# Altium PCB MCU065E1_LAUNCHCC3235MODA_PCB.PcbDoc (part 1 of 4)
Units mil, origin at the board's own origin, x right, y up, seen from the top; angles counter-clockwise.
Board outline 2300 x 4280 mil, 4 copper layers (TOP, GND, PWR, BOTTOM), stack 62 mil thick; 300 components, 199 nets, 970 pads, 475 vias.
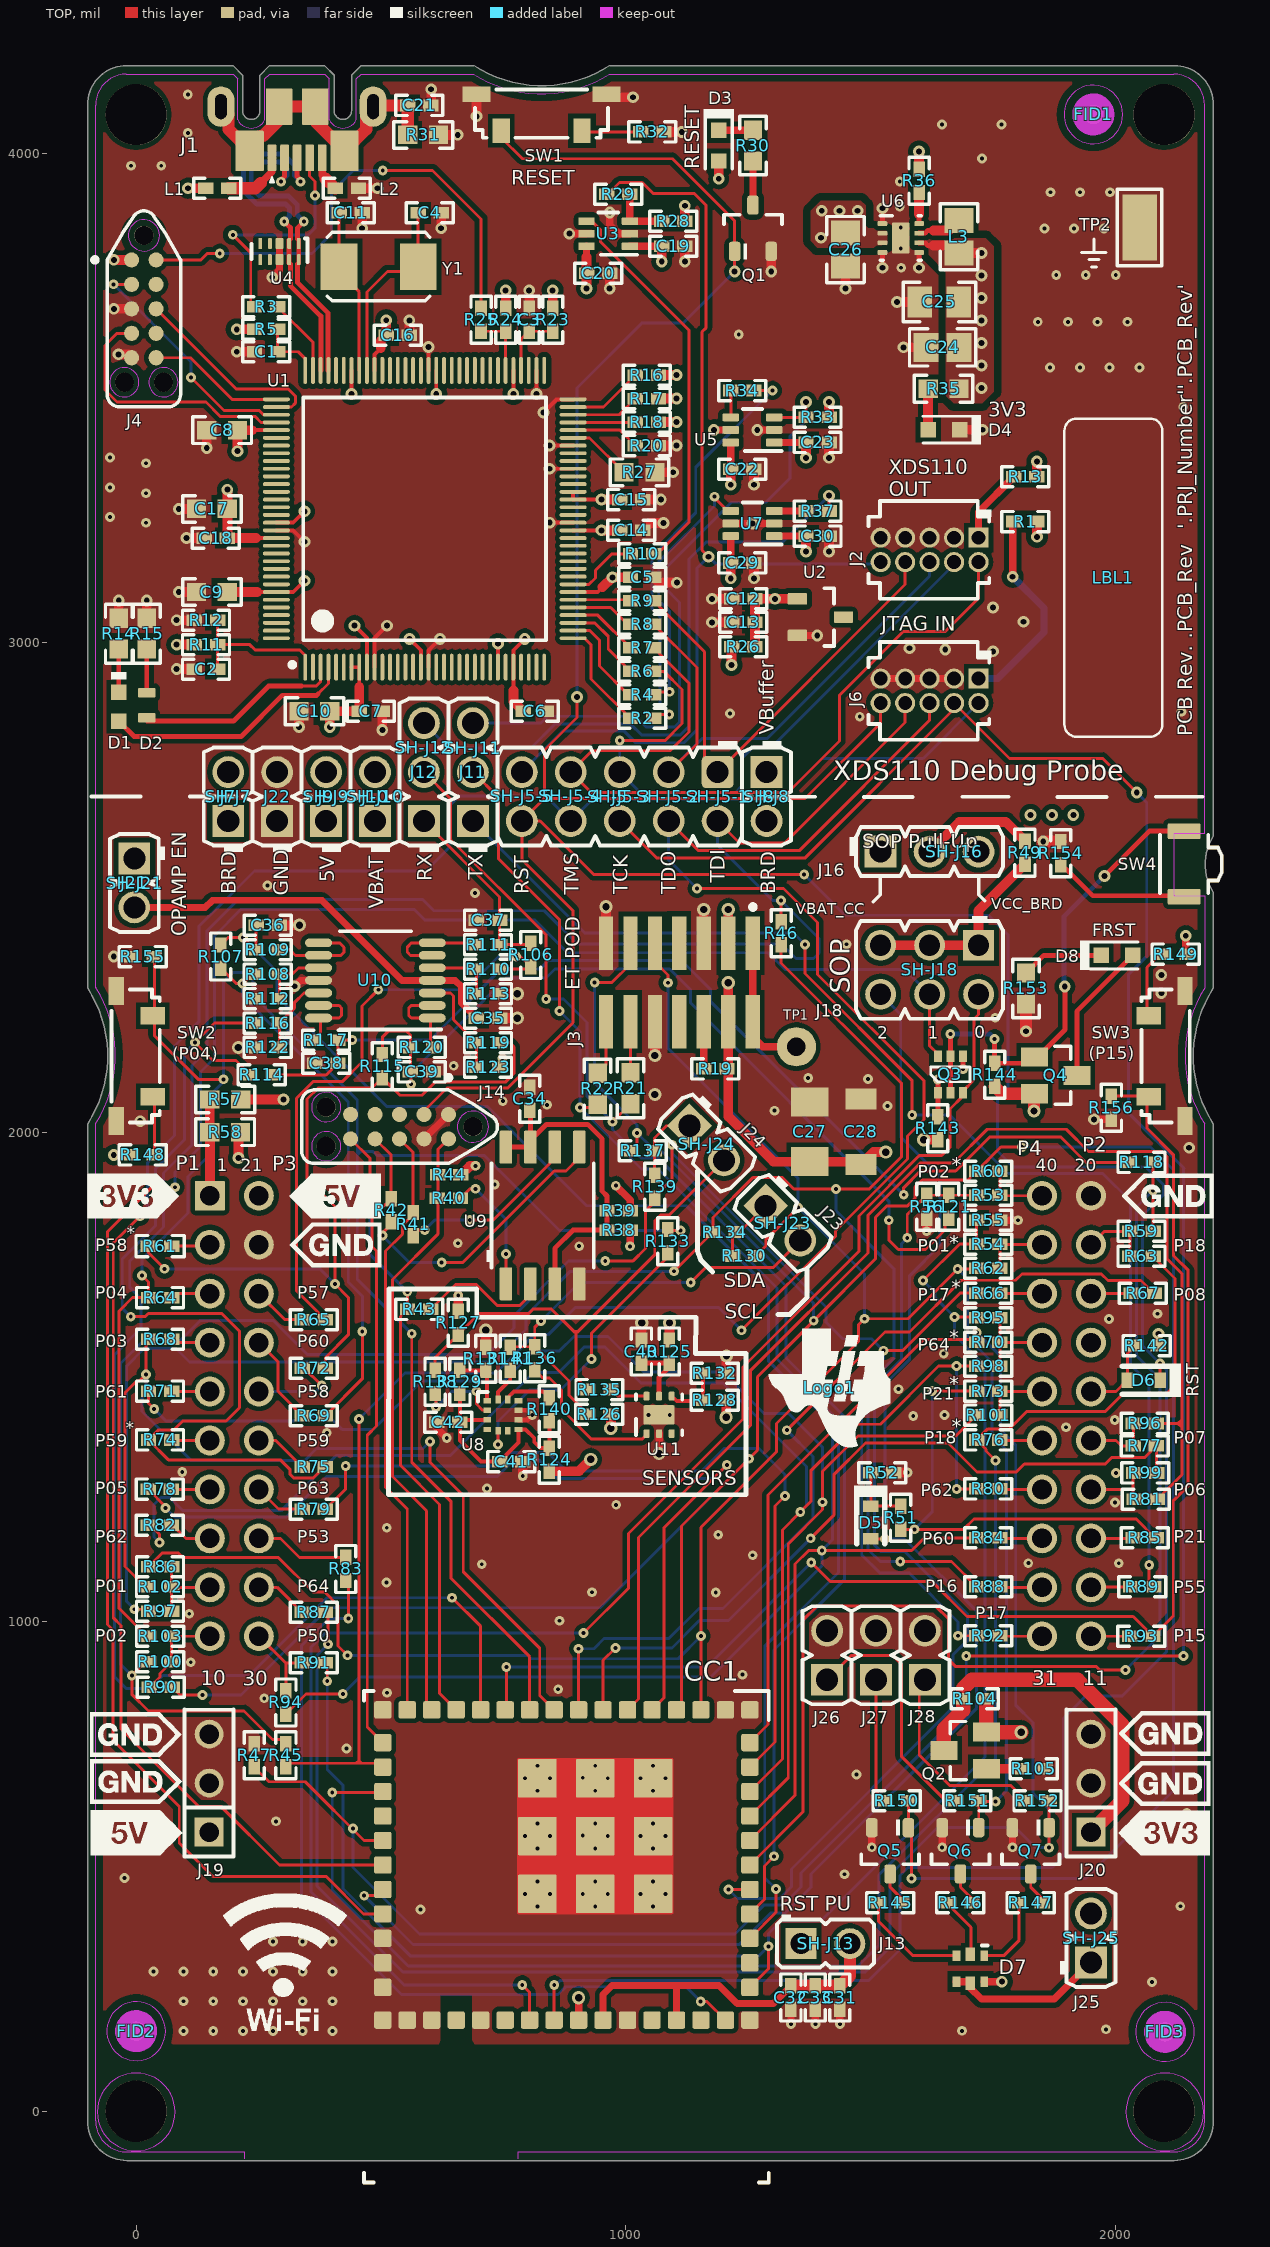
[diagram p0: TOP view]
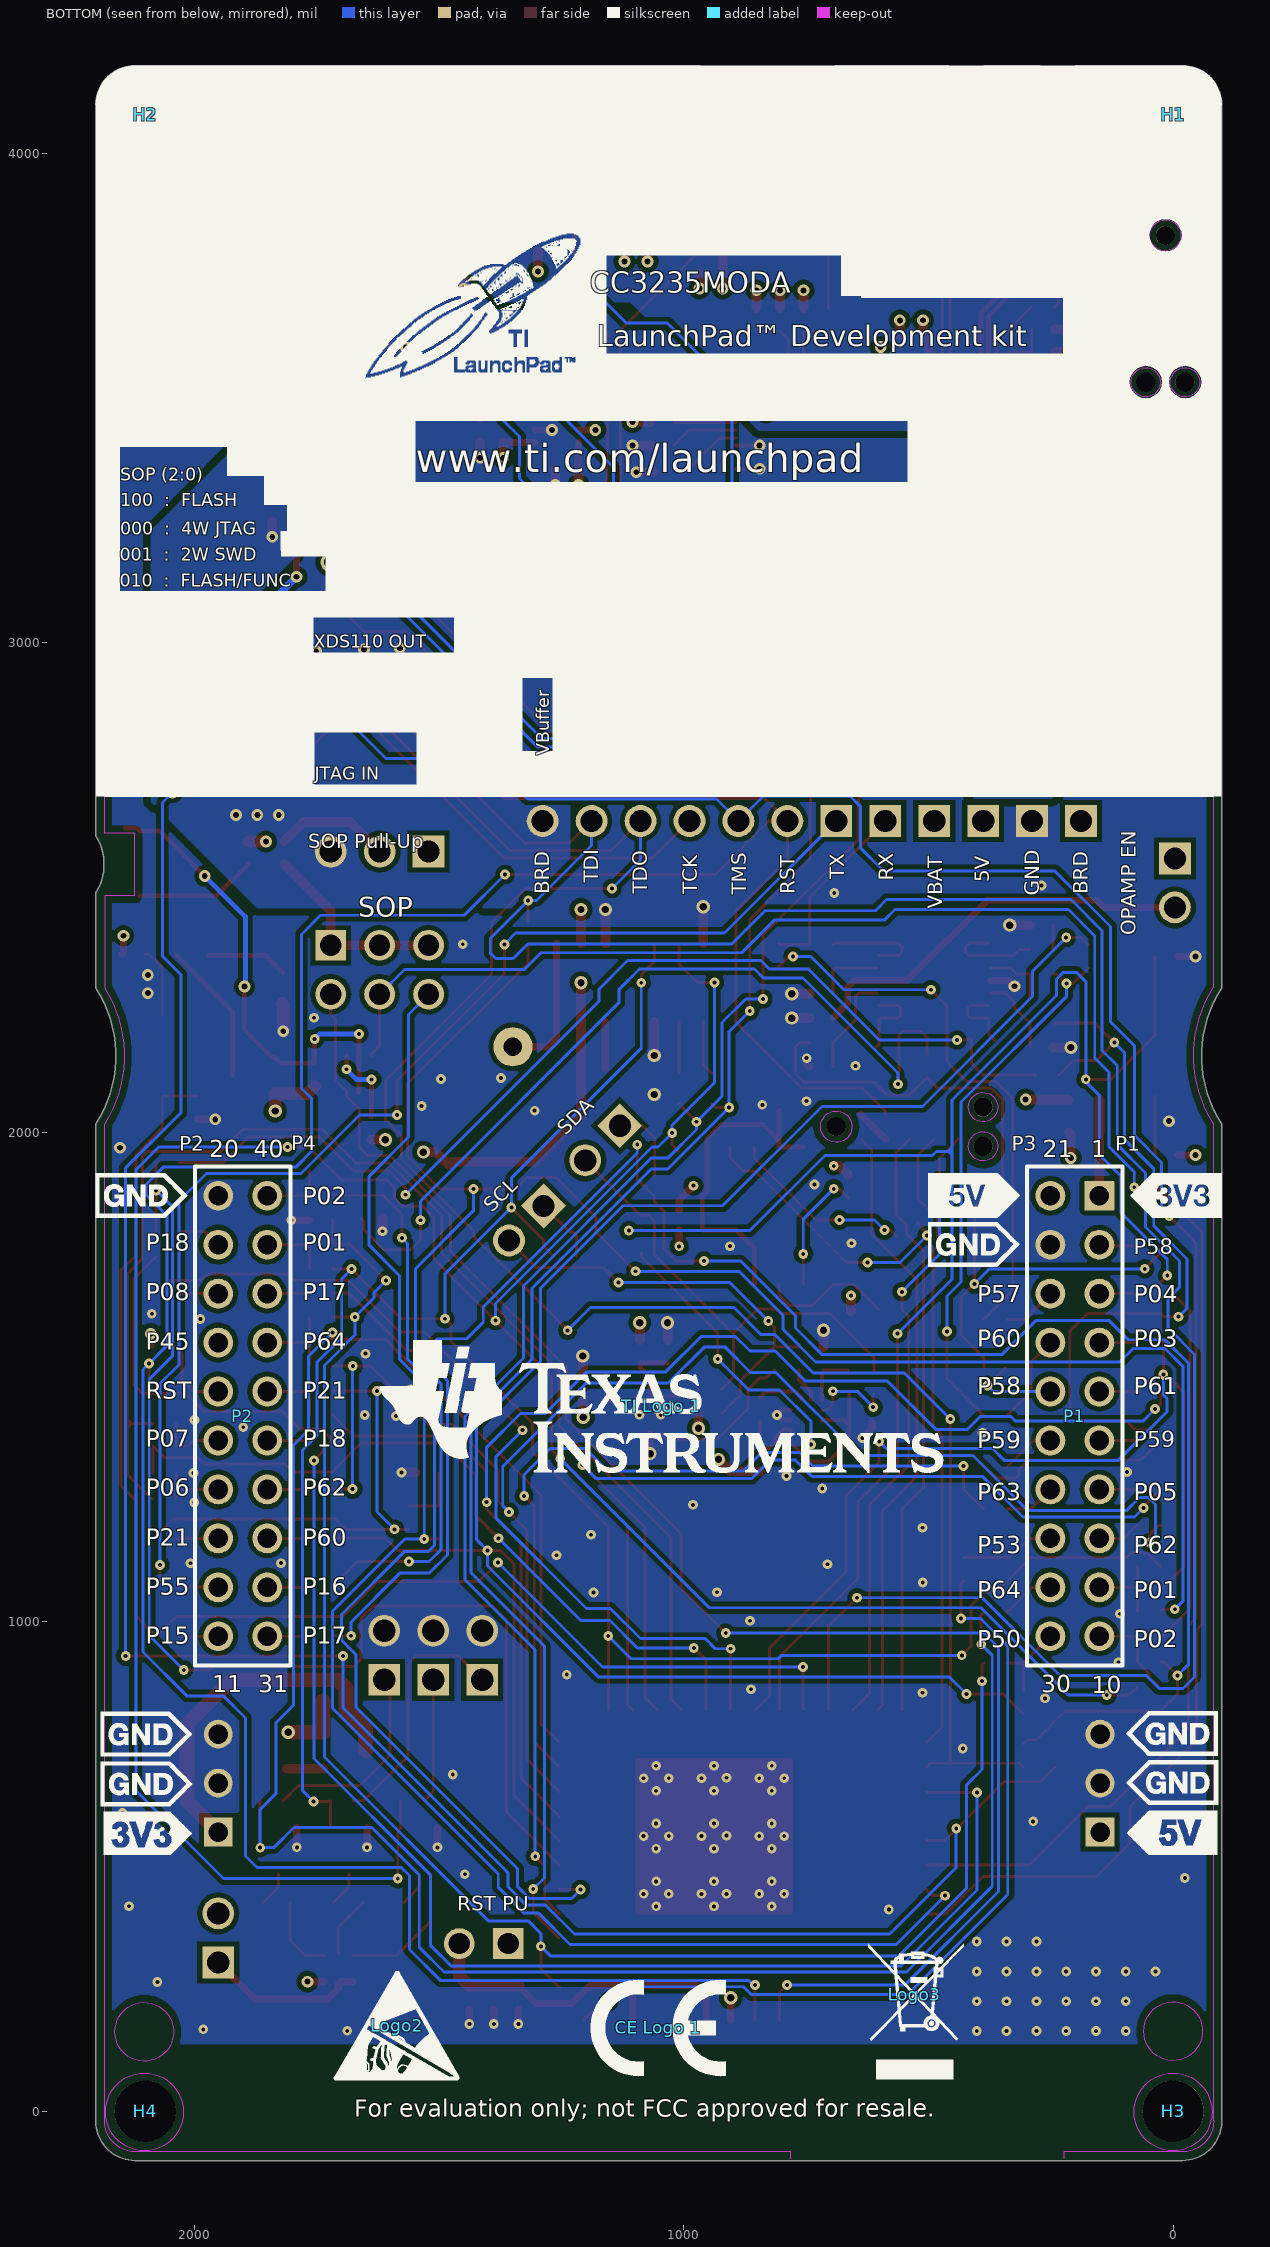
[diagram p1: BOTTOM view, seen from below]
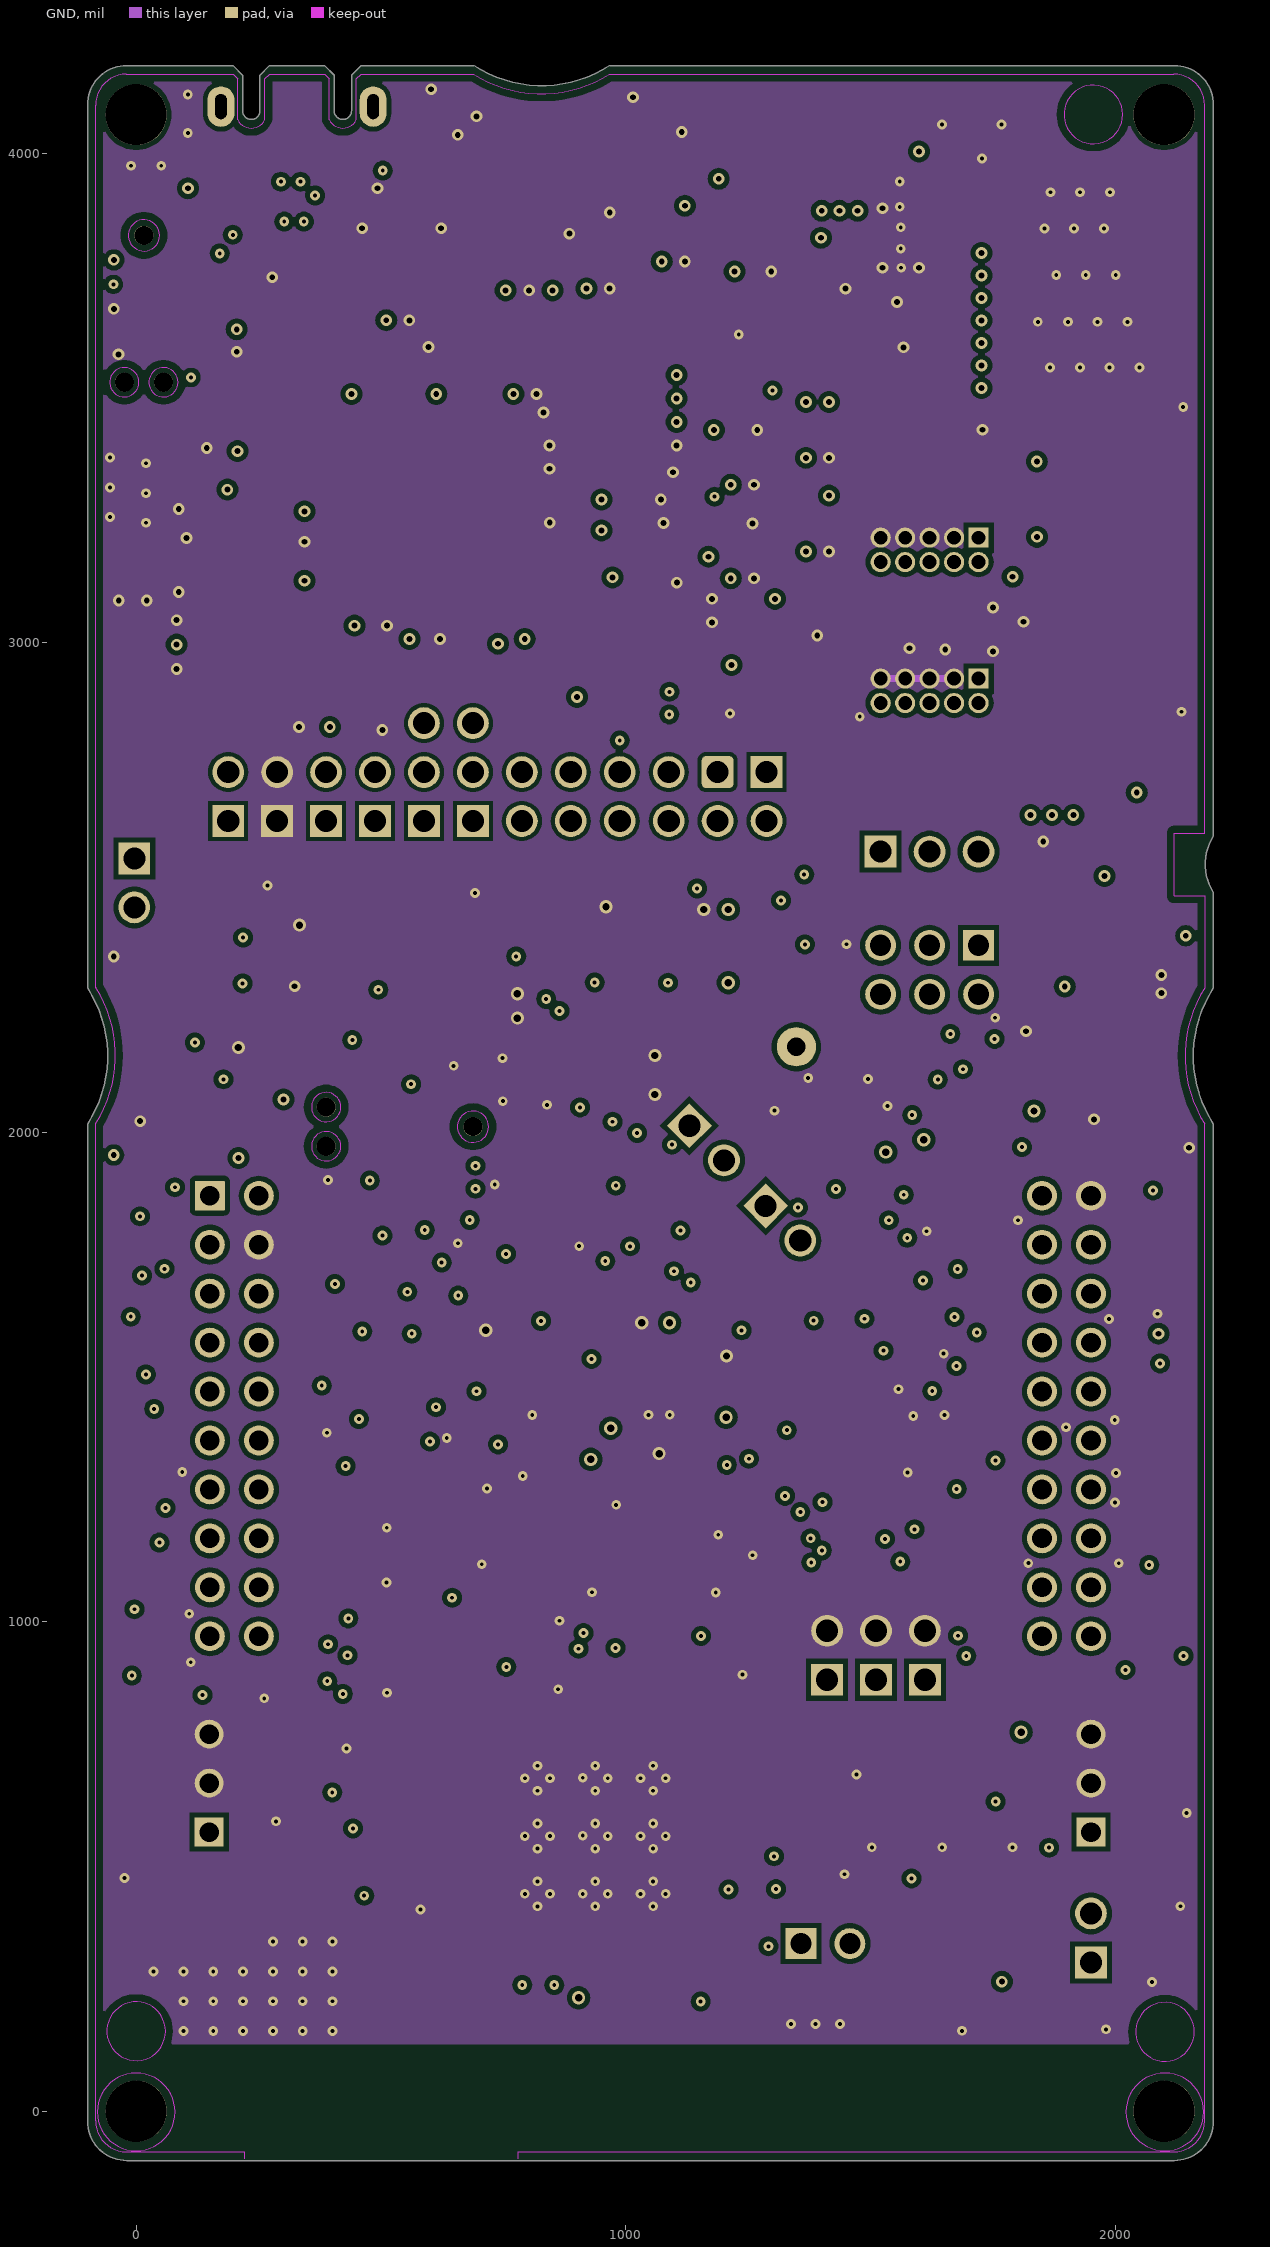
[diagram p2: GND]
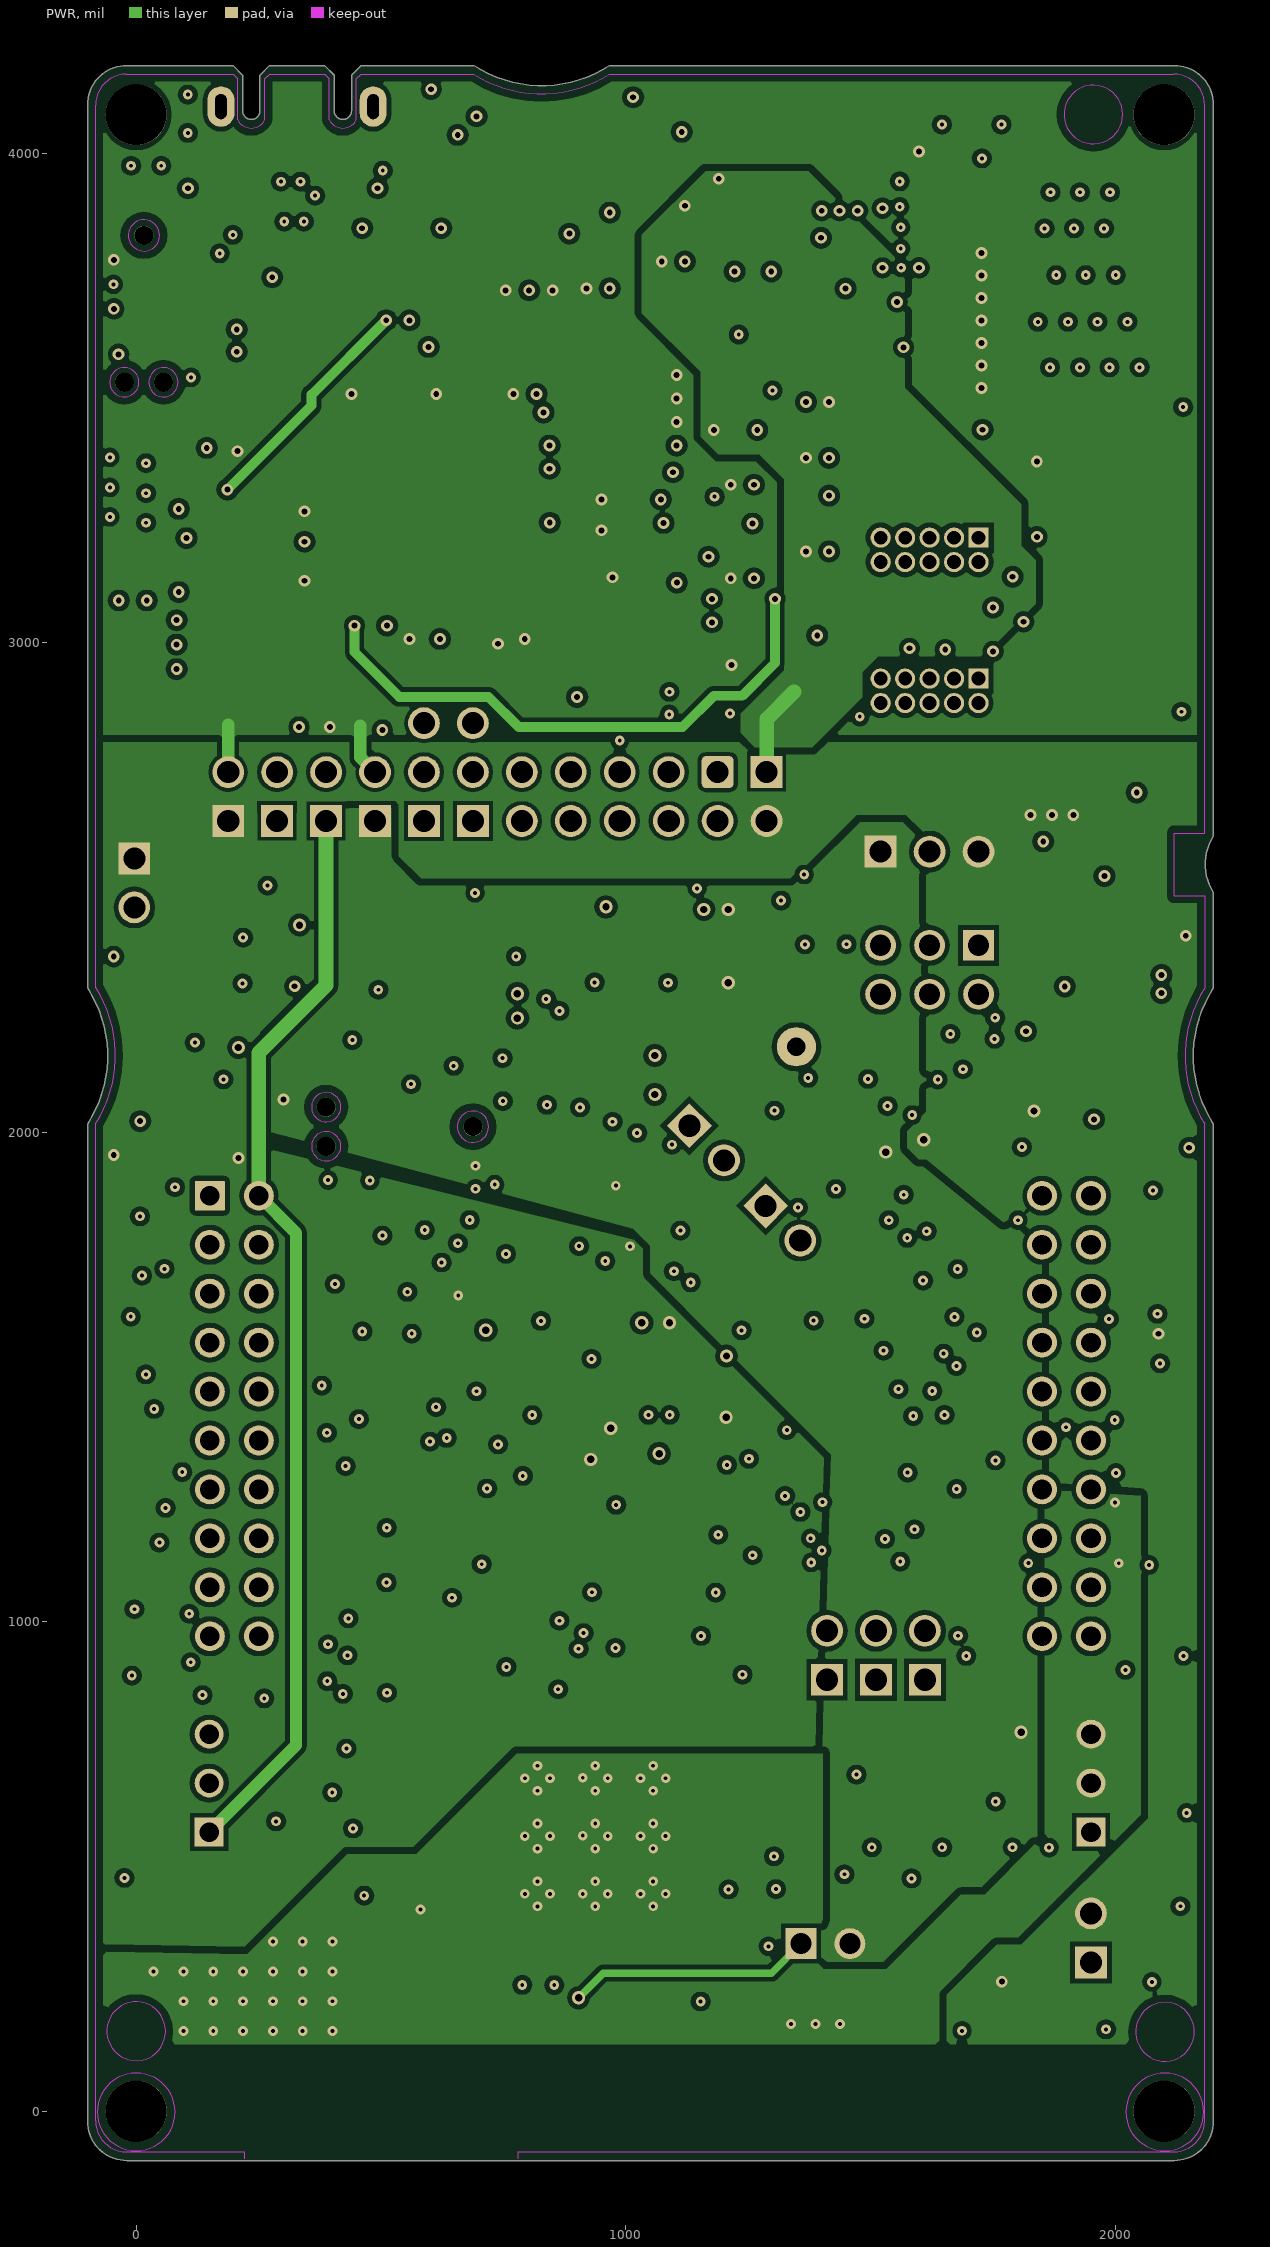
[diagram p3: PWR]

## Layer stack, top to bottom
Top Solder: solder mask 0.4, Solder Resist, Dk 3.5
TOP: signal copper 1.4
Dielectric1: core 16, FR-4 High Tg, Dk 4.5
GND: signal copper 0.6
Dielectric2: prepreg 26, FR-4 High Tg, Dk 4.5
PWR: signal copper 0.6
Dielectric3: core 16, FR-4 High Tg, Dk 4.5
BOTTOM: signal copper 1.4
Bottom Solder: solder mask 0.4, Solder Resist, Dk 3.5

## Board outline
-99.21,-20.74 -99.21,2017.26 ccw(c-312.46,2155.86) -99.21,2294.45 -99.21,4099.26 cw(c-19.21,4099.26) -19.21,4179.26 197.88,4179.26 217.57,4159.58 217.57,4086.74 ccw(c235.28,4086.74) 253,4086.74 253,4159.58 272.68,4179.26 384.89,4179.26 404.57,4159.58 404.57,4086.74 ccw(c422.29,4086.74) 440.01,4086.74 440.01,4159.58 459.69,4179.26 690.13,4179.26 ccw(c828.72,4392.51) 967.31,4179.26 2120.79,4179.26 cw(c2120.79,4099.26) 2200.79,4099.26 2200.7,2605 ccw(c2292.08,2547.43) 2200.72,2489.82 2200.79,2294.45 ccw(c2414.03,2155.86) 2200.79,2017.26 2200.79,-20.74 cw(c2120.79,-20.74) 2120.79,-100.74 -19.21,-100.74 cw(c-19.21,-20.74)

## Design rules (kind name [scope] priority, off if disabled: settings)
AssemblyTestPointUsage [All] p1: valid=2
Clearance Clearance_SW2KO [InComponent('SW4') and IsPad vs iskeepout and IsTrack] p1: gap=0 ignorepadtopadclearanceinfootprint=TRUE
Clearance Clearance_KO-Poly [IsKeepOut vs InPoly] p2: gap=15 ignorepadtopadclearanceinfootprint=TRUE
Clearance Clearance_Poly2HeaderPads [InPoly and (not (OnLayer('top') or OnLayer('bottom'))) vs InPadClass('HeaderPads')] p3: gap=8 ignorepadtopadclearanceinfootprint=TRUE
Clearance Clearance_SWITCH [(HasFootprint('SW_1188E') and IsPad) vs HasFootprint('SW_1188E') and IsPad] p4: gap=8 ignorepadtopadclearanceinfootprint=TRUE except(0: Arc-Hole Track-Hole SMDPad-Hole THPad-Hole Via-Hole Fill-Hole Poly-Hole Region-Hole Text-Hole)
Clearance Clearance_MH-KO [InPadClass('MH') vs IsKeepOut] p5: gap=0 ignorepadtopadclearanceinfootprint=TRUE
Clearance Clearance_KO-EDGE [InComponent('J1') and (IsPad or isfill) vs IsKeepOut] p6: gap=0 ignorepadtopadclearanceinfootprint=TRUE
Clearance Clearance_J3 [ispad and InComponent('J15') vs IsKeepOut and InComponent('J17')] p7: gap=0 ignorepadtopadclearanceinfootprint=TRUE
Clearance Clearance_FID [InComponentClass('FiducialMark') and IsPad vs IsKeepOut] p8: gap=0 ignorepadtopadclearanceinfootprint=TRUE
Clearance Clearance_SW [InPadClass('MH') vs InComponentClass('Switch')] p9: gap=8 ignorepadtopadclearanceinfootprint=TRUE
Clearance Clearance_Diff [InNet('XDSET_N') vs InNet('XDSET_P')] p10: gap=5 ignorepadtopadclearanceinfootprint=FALSE
Clearance Clearance_KO [iskeepout] p11: gap=5 ignorepadtopadclearanceinfootprint=FALSE except(0: Arc-Hole Track-Hole SMDPad-Hole THPad-Hole Via-Hole Fill-Hole Poly-Hole Region-Hole Text-Hole)
Clearance Clearance_TW-TW [IsTrack vs ALL AND NOT InPoly] p12: gap=6 ignorepadtopadclearanceinfootprint=TRUE
Clearance Clearance_MH [InPadClass('MH')] p13: gap=15 ignorepadtopadclearanceinfootprint=FALSE
Clearance "Clearance_50 ohm" [InNetClass('50 ohm') vs InPolygon] p14: gap=10 ignorepadtopadclearanceinfootprint=FALSE
Clearance Clearance_Poly_Poly [InPolygon vs InPolygon] p15: gap=15 ignorepadtopadclearanceinfootprint=FALSE
Clearance Clearance_Ploy_All [InPoly] p16: gap=10 ignorepadtopadclearanceinfootprint=FALSE
Clearance [All] p17: gap=8 ignorepadtopadclearanceinfootprint=TRUE except(0: Arc-Hole Track-Hole SMDPad-Hole THPad-Hole Via-Hole Fill-Hole Poly-Hole Region-Hole Text-Hole)
ComponentClearance ComponentClearance_Top&Bottom [InComponentClass('Top Side Components') vs InComponentClass('Bottom Side Components')] p1: gap=0 collisioncheckmode=3 verticalgap=0 showdistances=FALSE
ComponentClearance ComponentClearance_ShuntToShunt [InComponentClass('Shunt') vs InComponentClass('Shunt')] p2: gap=0 collisioncheckmode=3 verticalgap=0 showdistances=FALSE
ComponentClearance ComponentClearance_Shunt [InComponentClass('Header') vs InComponentClass('Shunt')] p3: gap=0 collisioncheckmode=3 verticalgap=0 showdistances=FALSE
ComponentClearance ComponentClearance_1 [InComponentClass('Overlap') vs InComponentClass('Overlap')] p4: gap=0 collisioncheckmode=3 verticalgap=0 showdistances=FALSE
ComponentClearance [All] p5: gap=10 collisioncheckmode=3 verticalgap=10 showdistances=FALSE
DiffPairsRouting [All] p1: maxlimit=10 minlimit=5 mostfreqgap=5 toplayer_minwidth=8 toplayer_maxwidth=15 toplayer_prefwidth=10 midlayer1_minwidth=8 midlayer1_maxwidth=15 midlayer1_prefwidth=10 midlayer2_minwidth=8 midlayer2_maxwidth=15 midlayer2_prefwidth=10 bottomlayer_minwidth=8 bottomlayer_maxwidth=15 bottomlayer_prefwidth=10 maxuncoupledlength=500
FabricationTestPointUsage [All] p1: valid=2 allowmultiple=FALSE
HoleSize [All] p1: absolutevalues=TRUE maxlimit=159 minlimit=6 maxpercent=80.000 minpercent=20.000
HoleToHoleClearance HoleToHoleClearance_Standoffs [InComponent('H1') OR     InComponent('H2')          OR     InComponent('H3')    OR     InComponent('H4') vs Hole] p1: gap=0 allowstackedmicrovias=TRUE
HoleToHoleClearance HoleToHoleClearance_1 [All] p2: gap=10 allowstackedmicrovias=TRUE
MinimumAnnularRing [IsVia] p1: minimumring=3
MinimumSolderMaskSliver [All] p1: minsoldermaskwidth=3.2
PlaneClearance [All] p1: clearance=8
PlaneConnect PlaneConnect_1 [All] p1: planeconnectstyle=Direct reliefexpansion=20 reliefentries=4 reliefconductorwidth=10 reliefairgap=10
PolygonConnect [All] p1: connectstyle=Direct reliefconductorwidth=15 reliefentries=4 polygonreliefangle="90 Angle" airgapwidth=10
RoomDefinition BOTTOMSILK [InComponentClass('Components Class 1')] p1: confinementstyle=ConfineIn formatcopy=TRUE lockcomponents=FALSE outline -120.62,4240.74 2220.44,4240.74 2220.44,2671.91 -120.62,2671.91
RoutingVias [All] p1: holewidth=8 width=24 viastyle="Through Hole" minholewidth=6 minwidth=12 maxholewidth=28 maxwidth=50 viatemplateguid#1={41FDFC50-AC36-4A40-A38E-85DC0862518D} viatemplateguid#2={7EB8106B-9EF6-4963-BEA4-F415A586DE84} viatemplateguid#3={4F6FB499-E6FF-4D0A-9C32-F9BF38F7A592} viatemplateguid#4={B3BBFEA9-3838-4BE5-98B3-281085A8F489} viatemplateguid#5={6AD91DA6-07A6-4121-AC78-2860BCF02B54} viatemplateguid#6={4AAE3504-B56D-40F2-9EA5-648483E9CB7A} viatemplateguid#7={CA1D6D1B-1EF2-42EE-B4B1-B4C514B9E4C3} viatemplateguid#8={597B6799-CFED-41C5-BE5F-4F951BC89095} viatemplateguid#9={4D60849D-32C0-4C25-877C-9BF03A911825} viatemplateguid#10={C3AF7BAA-7E46-44FA-8E17-6C0969281527} viatemplateguid#11={AE45BB74-DE73-46AB-B6E9-5F4A1C1AB101} viatemplatename#1=v50h20m0mx0 viatemplatename#2=v51h20m0mx0 viatemplatename#3=v51h30m0mx0 viatemplatename#4=v61h20m0mx0 viatemplatename#5=v61h25m0mx0 viatemplatename#6=v64h38m0mx0 viatemplatename#7=v76h38m0mx0 viatemplatename#8=v76h51m0mx0 viatemplatename#9=v102h51m0mx0 viatemplatename#10=v114h76m0mx0 viatemplatename#11=v127h71m0mx0
SilkToSilkClearance SilkToSilkClearance_BOTTOM [WithinRoom('BOTTOMSILK') and OnLayer('SILKSCREEN BOTTOM') and (isregion or IsText)] p1: silktosilkclearance=0
SilkToSilkClearance SilkToSilkClearance_pb-logo [(HasFootprint('Pb-Free_Overlay_Medium') OR HasFootprint('Pb-Free_Overlay_Small')) vs (HasFootprint('Pb-Free_Overlay_Medium') OR HasFootprint('Pb-Free_Overlay_Small'))] p2: silktosilkclearance=0
SilkToSilkClearance [All] p3: silktosilkclearance=3
SilkToSolderMaskClearance SilkToSolderMaskClearance_BottomSilk [IsPad and WithinRoom('BOTTOMSILK') vs OnLayer('SILKSCREEN BOTTOM') and WithinRoom('BOTTOMSILK')] p1: minsilkscreentomaskgap=0 clearancetoexposedcopper=TRUE
SilkToSolderMaskClearance [IsPad] p2: minsilkscreentomaskgap=2.49 clearancetoexposedcopper=FALSE
SilkToSolderMaskClearance SilkscreenOverComponentPads [IsPad] p3: minsilkscreentomaskgap=3 clearancetoexposedcopper=TRUE
SolderMaskExpansion SolderMaskExpansion_1 [InPadClass('MAsk')] p1: expansion=0.9
SolderMaskExpansion [All] p2: expansion=0
Width [All] p1: maxlimit=100 minlimit=6 preferedwidth=15 toplayer_prefwidth=6 midlayer1_prefwidth=10 midlayer2_minwidth=10 bottomlayer_prefwidth=6 minimp=50.000000 maximp=50.000000 favimp=50.000000
19 further rules are at their usual default settings.

## Classes and differential pairs
component class Shunt: SH-J5-1 SH-J5-2 SH-J5-3 SH-J5-4 SH-J5-5 SH-J7 SH-J8 SH-J9 SH-J10 SH-J11 SH-J12 SH-J13 SH-J16 SH-J18 SH-J21 SH-J23 SH-J24 SH-J25 SH-J26 SH-J27 SH-J28
pad class MH: J2-MH1 J2-MH2 J2-MH3 J28-MH1 J28-MH2 J28-MH3 SW1- SW2- SW3-MH1 SW3-MH2 SW4-
component class Label: LBL1
pad class MAsk: U1-1 U1-2 U1-3 U1-4 U1-5 U1-6 U1-7 U1-8 U1-9 U1-10 U1-11 U1-12 U1-13 U1-14 U1-15 U1-16 U1-17 U1-18 U1-19 U1-20 U1-21 U1-22 U1-23 U1-24 U1-25 U1-26 U1-27 U1-28 U1-29 U1-30 U1-31 U1-32 U1-33 U1-34 U1-35 U1-36 U1-37 U1-38 U1-39 U1-40 U1-41 U1-42 U1-43 U1-44 U1-45 U1-46 U1-47 U1-48 U1-49 U1-50 U1-51 U1-52 U1-53 U1-54 U1-55 U1-56 U1-57 U1-58 U1-59 U1-60 U1-61 U1-62 U1-63
pad class "direct connect": C7-2 C8-2 C10-2 C24-1 C25-1 C26-1 J10-1 J10-2 J19-1 J20-2 J21-2 J22-1 L1-2 R128-1 U1-55 U1-56 U1-57 U1-58 U1-59 U1-60 U1-61 U1-62 U1-63 U9-2 U9-3
component class FiducialMark: FID1 FID2 FID3
component class MCU065E1_EngineArea: C2 C3 C4 C7 C10 C31 C32 C33 C34 CC1 D5 J5 J13 J14 J16 J18 J26 L3 R38 R39 R40 R41 R42 R43 R44 R45 R46 R47 R49 R51 R52 R75 R76 R77 R78 R82 R83 R88 R122 U9
component class MCU065E1_LEDs_Switches_Sensors: C17 C18 C35 C40 C41 C42 D1 D6 D7 D8 J4 J11 J23 J24 J25 J26 J27 J28 Q1 Q3 Q4 Q5 Q6 Q7 R1 R3 R11 R13 R14 R16 R17 R22 R23 R26 R30 R33 R34 R43 R45 R55 R60 R72 R76 R93 R124 R125 R126 R127 R128 R129 R130 R131 R132 R133 R134 R135 R136 R137 R138 R139 R140 R141 R142 R143 R144 R145 R146 R147 R148 R149 R150 R151 R152 R153 R154 R155 R156 SW1 SW2 SW3 SW4 U5 U8 U11
component class MCU065E1_Host_Interface: C12 C13 C14 C35 C36 C37 C38 C39 J9 J19 J20 J21 J22 P1 P2 Q2 Q3 R1 R3 R17 R19 R22 R23 R24 R26 R53 R54 R55 R56 R57 R58 R59 R60 R61 R62 R63 R64 R65 R66 R67 R68 R69 R70 R71 R72 R73 R74 R75 R76 R77 R78 R79 R80 R81 R82 R83 R84 R85 R86 R87 R88 R89 R90 R91 R92 R93 R94 R95 R96 R97 R98 R99 R100 R101 R102 R103 R104 R105 R106 R107 R108 R109 R110 R111 R112 R113 R114 R115 R116 R117 R118 R119 R120 R121 R122 R123 R125 R128 R130 R132 R135 R136 R142 R145 R148 R150 R155 TP1 TP2 U10
component class MCU065E1_XDS110_Host: C1 C2 C3 C4 C5 C6 C7 C8 C9 C10 C11 C12 C13 C14 C15 C16 C17 C18 C31 C35 C39 C40 D1 D2 D6 J1 J2 J3 J4 J6 J13 J14 R1 R2 R3 R4 R5 R6 R7 R8 R9 R10 R11 R12 R13 R14 R15 R16 R17 R18 R19 R20 R21 R22 R23 R24 R25 R26 R27 R38 R43 R44 R45 R51 R55 R56 R60 R76 R93 R133 R135 TP1 U1 U2 Y1
component class AssemblyNote: ZZ1 ZZ2 ZZ3 ZZ4 ZZ5 ZZ6 ZZ7
component class MCU065E1_Hardware: "CE Logo 1" FID1 FID2 FID3 H1 H2 H3 H4 LBL1 Logo1 Logo2 Logo3 Logo4 SH-J5-1 SH-J5-2 SH-J5-3 SH-J5-4 SH-J5-5 SH-J7 SH-J8 SH-J9 SH-J10 SH-J11 SH-J12 SH-J13 SH-J16 SH-J18 SH-J21 SH-J23 SH-J24 SH-J25 SH-J26 SH-J27 SH-J28 "TI Logo 1" ZZ1 ZZ2 ZZ3 ZZ4 ZZ5 ZZ6 ZZ7
component class Header: J3 J4 J5 J7 J8 J9 J10 J11 J12 J13 J16 J18 J19 J20 J21 J22 J23 J24 J25 J26 J27 J28
component class Logo: Logo1 "TI Logo 1"
component class MCU065E1_XDS110_Circuit: C19 C20 C21 C22 C23 C24 C25 C26 C27 C28 C29 C30 D1 D3 D4 D8 J1 J5 J7 J8 J9 J10 J11 J12 J18 J19 J20 J22 J24 L1 L2 L3 Q1 R28 R29 R30 R31 R32 R33 R34 R35 R36 R37 R71 R72 SW1 U3 U4 U5 U6 U7 U11
pad class HeaderPads: J5-1 J5-2 J5-3 J5-4 J5-5 J5-6 J5-7 J5-8 J5-9 J5-10 J7-1 J7-2 J8-1 J8-2 J9-1 J9-2 J10-1 J10-2 J11-1 J11-2 J11-3 J12-1 J12-2 J12-3 J22-1 J22-2
component class Overlap: C38 C39 J5 J7 J8 J9 J10 J11 J12 J14 J22 J26 J27 J28 R44 R115 R123 U9
differential pair XDSET: +XDSET_P -XDSET_N
